# Altium PCB XTIDA-010086.PcbDoc (part 5 of 17) (continued)
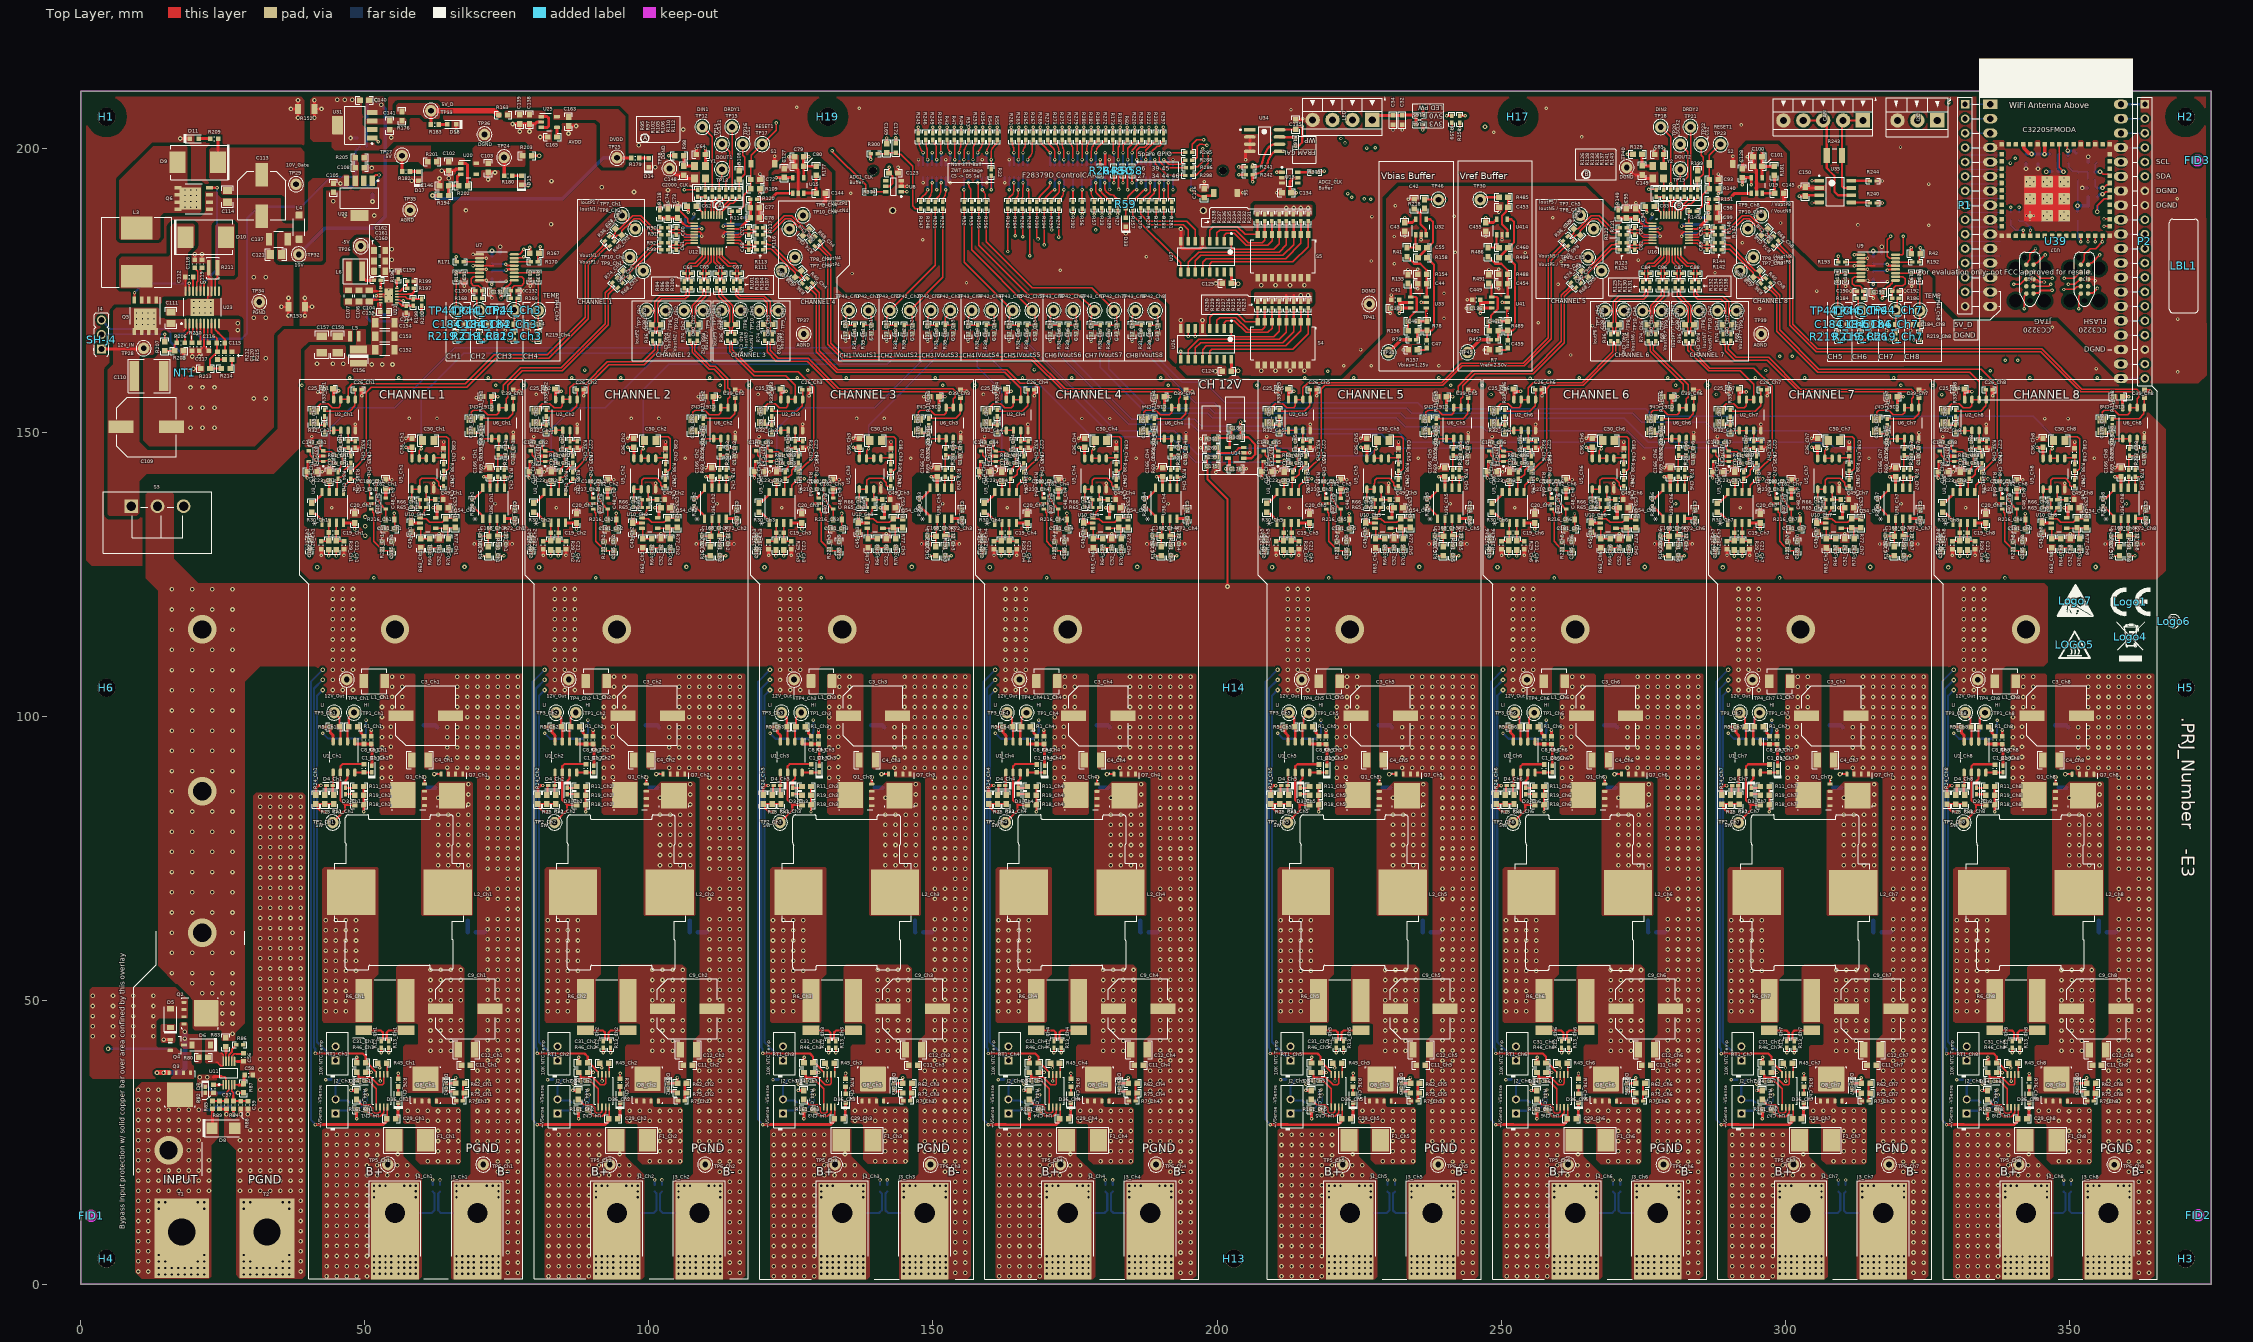
[diagram p0: Top Layer view]
## Part data (continued)
C152 C153 C154: "CAP, CERM, 22 µF, 16 V, +/- 20%, X7R, 1206_190", Cap_Case=1206, Manufacturer="Taiyo Yuden", Supplier Part Number 1=587-4319-1-ND, TempCo=X7R, Tolerance_%=20, Value1=Unknown, Value2=16V, ValueDisplayed=22µF, AEC Category=Q200, AEC Grade=N/A, AEC Qualified=N, Cap_F=0.000022, ComponentLink1Description="Datasheet link", ComponentLink1URL=http://www.yuden.co.jp/productdata/catalog/en/mlcc_all_e.pdf, CompType=Capacitor, LatestRevisionDate=2016-09-27, MountType=SMT, PackageReference=1206_190, PartNumber=EMK316BB7226ML-T, Polarized=N, Published=2008-06-19, Publisher="Texas Instruments", RoHS=Y, SizeArea_mm2=5.12, SizeAreaWB_mm2=10.92, SizeX_mm=3.2, SizeY_mm=1.6, SizeZ_mm=1.9, Supplier 1=Digi-Key, Supplier 2=Mouser, Supplier 3=Newark, Supplier Part Number 2=963-EMK316BB7226ML-T, Supplier Part Number 3=52Y4678, SymbolVersion=2008-07-09, TaMax_C=125, TaMin_C=-55, Technology=Ceramic, U/M=EA, VDC_V=16
C155: "CAP, CERM, 2.2 µF, 16 V, +/- 10%, X7R, 0603", Cap_Case=0603, Manufacturer="Taiyo Yuden", Supplier Part Number 1=EMK107BB7225KA-T-ND, TempCo=X7R, Tolerance_%=10, Value1=Unknown, Value2=16V, ValueDisplayed=2.2µF, AEC Category=Q200, AEC Grade=N/A, AEC Qualified=N, Cap_F=0.0000022, ComponentLink1Description="Datasheet link", ComponentLink1URL=http://www.yuden.co.jp/productdata/catalog/en/mlcc_all_e.pdf, CompType=Capacitor, LatestRevisionDate=2016-03-15, MountType=SMT, PackageReference=0603, PartNumber=EMK107BB7225KA-T, Polarized=N, Published=2008-06-19, Publisher="Texas Instruments", RoHS=Y, Supplier 1=Digi-Key, Supplier 2=Mouser, Supplier 3=Newark, Supplier Part Number 2=963-EMK107BB7225KA-T, Supplier Part Number 3=68X1300, SymbolVersion=2008-07-09, TaMax_C=125, TaMin_C=-55, Technology=Ceramic, U/M=EA, VDC_V=16
C156: "CAP, TA, 47 µF, 16 V, +/- 20%, 0.6 ohm, SMD", Cap_Case=F95_B, Manufacturer=AVX, Supplier Part Number 1=478-8478-1-ND, Tolerance_%=20, Value1="0.6 ohm", Value2=16V, ValueDisplayed=47µF, AEC Category=Q200, AEC Qualified=?, Cap_F=0.000047, ComponentLink1Description="Datasheet link", ComponentLink1URL=http://www.avx.com/docs/Catalogs/f95.pdf, CompType=Capacitor, ESR_ohm=0.6, LatestRevisionDate=2016-09-02, LatestRevisionNote="Updated supplier links", MountType=SMT, PackageReference=3528, PartNumber=F951C476MBAAQ2, Polarized=Y, Publisher="Texas Instruments", RoHS=Y, Series=F95, SizeArea_mm2=9.8, SizeAreaWB_mm2=17.1, SizeX_mm=3.5, SizeY_mm=2.8, SizeZ_mm=2, Supplier 1=Digi-Key, Supplier 2=Mouser, Supplier 3=Farnell, Supplier Part Number 2=647-F951C476MBAAQ2, Supplier Part Number 3=1853428, SymbolVersion=2008-07-09, TaMax_C=125, TaMin_C=-55, Technology=TA, U/M=EA, VDC_V=16
C157 C158: "CAP, CERM, 4.7 µF, 25 V,+/- 10%, X5R, 1206", Cap_Case=1206, Manufacturer=MuRata, Supplier Part Number 1=490-3372-1-ND, TempCo=X5R, Tolerance_%=10, Value1="0.006 ohm", Value2=25V, ValueDisplayed=4.7µF, AEC Category=Q200, AEC Qualified=?, Cap_F=0.0000047, ComponentLink1Description="Datasheet link", ComponentLink1URL=http://search.murata.co.jp/Ceramy/PnsearchViewAction.do?HnOFG=ON&HnNFG=ON&SEL_CNT=50&sLang=en&sKey=GRM319R61E475KA12D&x=9&y=9&search=startwith, CompType=Capacitor, ESR_ohm=0.006, LatestRevisionDate=2017-06-22, MountType=SMT, PackageReference=1206, PartNumber=GRM319R61E475KA12D, Polarized=N, Published=2008-06-19, Publisher="Texas Instruments", RoHS=Y, SizeArea_mm2=5.12, SizeAreaWB_mm2=10.92, SizeX_mm=3.2, SizeY_mm=1.6, SizeZ_mm=1.35, Supplier 1=Digi-Key, Supplier 2=Mouser, Supplier 3=Farnell, Supplier Part Number 2=81-GRM426X475K25D, Supplier Part Number 3=1845758, SymbolVersion=2008-07-09, TaMax_C=85, TaMin_C=-55, Technology=Ceramic, U/M=EA, VDC_V=25
C159: "CAP, CERM, 1 µF, 16 V,+/- 10%, X5R, 0402", Cap_Case=0402, Manufacturer=TDK, Supplier Part Number 1=445-4978-1-ND, TempCo=X5R, Tolerance_%=10, Value2=16V, ValueDisplayed=1µF, AEC Category=Q200, AEC Grade=N/A, AEC Qualified=N, Cap_F=0.000001, ComponentLink1Description="Datasheet link", ComponentLink1URL=https://product.tdk.com/info/en/catalog/datasheets/mlcc_commercial_general_en.pdf, CompType=Capacitor, Green_EU RoHS=Passed, Green_EU RoHS-2=Passed, Green_Lifecycle=EOL, Green_REACh=Passed, LatestRevisionDate=2017-06-22, MountType=SMT, PackageReference=0402, PartNumber=C1005X5R1C105K050BC, Polarized=N, Published=2008-06-19, Publisher="Texas Instruments", RoHS=Y, SizeArea_mm2=0.5, SizeAreaWB_mm2=3, SizeX_mm=1, SizeY_mm=0.5, SizeZ_mm=0.6, Supplier 1=Digi-Key, Supplier 2=Newark, Supplier 3=Mouser, Supplier Part Number 2=90R7590, Supplier Part Number 3=810-C1005X5R1C105K, SymbolVersion=2008-07-09, TaMax_C=85, TaMin_C=-55, Technology=Ceramic, U/M=EA, VDC_V=16
C160 C161 C162: "CAP, CERM, 22 µF, 10 V, +/- 20%, X7S, 0805", Cap_Case=0805, Manufacturer=TDK, Supplier Part Number 1=445-14560-1-ND, TempCo=X7S, Tolerance_%=20, Value1=Unknown, Value2=10V, ValueDisplayed=22µF, AEC Category=Q200, AEC Grade=N/A, AEC Qualified=N, Cap_F=0.000022, ComponentLink1Description="Datasheet link", ComponentLink1URL=http://product.tdk.com/en/catalog/datasheets/mlcc_commercial_general_en.pdf, CompType=Capacitor, LatestRevisionDate=2016-03-15, MountType=SMT, PackageReference=0805, PartNumber=C2012X7S1A226M125AC, Polarized=N, Published=2008-06-19, Publisher="Texas Instruments", RoHS=Y, Supplier 1=Digi-Key, SymbolVersion=2008-07-09, TaMax_C=125, TaMin_C=-55, Technology=Ceramic, U/M=EA, VDC_V=10
C164: "CAP, CERM, 0.22 µF, 16 V,+/- 10%, X7R, 0402", Cap_Case=0402, Manufacturer=MuRata, Supplier Part Number 1=490-5418-1-ND, TempCo=X7R, Tolerance_%=10, Value2=16V, ValueDisplayed=0.22µF, AEC Category=Q200, AEC Qualified=?, Cap_F=0.00000022, ComponentLink1Description="Datasheet link", ComponentLink1URL=http://search.murata.co.jp/Ceramy/PnsearchViewAction.do?HnOFG=ON&HnNFG=ON&SEL_CNT=50&sLang=en&sKey=GRM155R71C224KA12D&x=9&y=9&search=startwith, CompType=Capacitor, Green_EU RoHS=Passed, Green_EU RoHS-2=Incomplete, Green_Lifecycle=Active, Green_REACh=Passed, LatestRevisionDate=2017-06-22, MountType=SMT, PackageReference=0402, PartNumber=GRM155R71C224KA12D, Polarized=N, Published=2008-06-19, Publisher="Texas Instruments", RoHS=Y, SizeArea_mm2=0.5, SizeAreaWB_mm2=3, SizeX_mm=1, SizeY_mm=0.5, SizeZ_mm=0.6, Supplier 1=Digi-Key, Supplier 2=Mouser, Supplier Part Number 2=81-GRM155R71C224KA2D, SymbolVersion=2008-07-09, TaMax_C=125, TaMin_C=-55, Technology=Ceramic, U/M=EA, VDC_V=16
C165: "CAP, CERM, 0.01 µF, 100 V, +/- 10%, X7R, 0603", Cap_Case=0603, Manufacturer=AVX, Supplier Part Number 1=478-1205-1-ND, TempCo=X7R, Tolerance_%=10, Value1="0.098 ohm", Value2=100V, ValueDisplayed=0.01µF, AEC Category=Q200, AEC Grade=N/A, AEC Qualified=N, Cap_F=0.00000001, ComponentLink1Description="Datasheet link", ComponentLink1URL=http://datasheets.avx.com/X7RDielectric.pdf, CompType=Capacitor, ESR_ohm=0.098, LatestRevisionDate=2016-03-31, MountType=SMT, PackageReference=0603, PartNumber=06031C103KAT2A, Polarized=N, Published=2008-06-19, Publisher="Texas Instruments", RoHS=Y, Supplier 1=Digi-Key, Supplier 2=Mouser, Supplier 3=Farnell, Supplier Part Number 2=581-06031C103K, Supplier Part Number 3=1327671, SymbolVersion=2008-07-09, TaMax_C=125, TaMin_C=-55, Technology=Ceramic, U/M=EA, VDC_V=100
C168_Ch1 C168_Ch2 C168_Ch3 C168_Ch4 C168_Ch5 C168_Ch6 C168_Ch7 C168_Ch8: library part GRM1885C1H102JA01D, "CAP, CERM, 10 pF, 50 V, +/- 5%, C0G/NP0, 0603", Cap_Case=0603, Manufacturer=MuRata, TempCo=C0G/NP0, Tolerance_%=5, Value1=Unknown, Value2=50V, ValueDisplayed=10pF, AEC Category=Q200, AEC Qualified=?, Cap_F=0.00000000001, ComponentLink1Description="Datasheet link", ComponentLink1URL=http://search.murata.co.jp/Ceramy/PnsearchViewAction.do?HnOFG=ON&HnNFG=ON&SEL_CNT=50&sLang=en&sKey=GRM1885C1H102JA01D&x=9&y=9&search=startwith, CompType=Capacitor, Group=ACS, Group2=VSD, LatestRevisionDate=2017-03-17, MountType=SMT, PackageReference=0603, Polarized=N, Published=2008-06-19, Publisher="Texas Instruments", RoHS=Y, SizeArea_mm2=1.28, SizeAreaWB_mm2=4.68, SizeX_mm=1.6, SizeY_mm=0.8, SizeZ_mm=1, SymbolVersion=2008-07-09, TaMax_C=125, TaMin_C=-55, Technology=Ceramic, U/M=EA, VDC_V=50
C169: "CAP, CERM, 0.01 µF, 25 V,+/- 5%, C0G/NP0, AEC-Q200 Grade 1, 0603", Cap_Case=0603, Manufacturer=Kemet, Supplier Part Number 1=399-14102-1-ND, TempCo=C0G/NP0, Tolerance_%=5, Value2=25V, ValueDisplayed=0.01uF, AEC Category=Q200, AEC Grade=1, AEC Qualified=Y, Cap_F=0.00000001, ComponentLink1Description="Datasheet link", ComponentLink1URL=https://search.kemet.com/component-edge/download/datasheet/C0603C103J3GECAUTO.pdf, CompType=Capacitor, LatestRevisionDate=2017-06-22, MountType=SMT, PackageReference=0603, PartNumber=C0603C103J3GECAUTO, Polarized=N, Published=2008-06-19, Publisher="Texas Instruments", RoHS=Y, SizeArea_mm2=1.28, SizeAreaWB_mm2=4.68, SizeX_mm=1.6, SizeY_mm=0.8, SizeZ_mm=1, Supplier 1=Digi-Key, Supplier 2=Newark, Supplier 3=Mouser, Supplier Part Number 2=06AC5972, Supplier Part Number 3=80-C0603C103J3GEAUTO, SymbolVersion=2008-07-09, TaMax_C=125, TaMin_C=-55, Technology=Ceramic, U/M=EA, VDC_V=25
CAN: "Header, 5-Pin", LatestRevisionDate=17-Jul-2002, LatestRevisionNote="Re-released for DXP Platform.", Publisher="Altium Limited"
D1_Ch1 D1_Ch2 D1_Ch3 D1_Ch4 D1_Ch5 D1_Ch6 D1_Ch7 D1_Ch8 D3_Ch1 D3_Ch2 D3_Ch3 D3_Ch4 D3_Ch5 D3_Ch6 D3_Ch7 D3_Ch8 D4_Ch1 D4_Ch2 D4_Ch3 D4_Ch4 D4_Ch5 D4_Ch6 D4_Ch7 D4_Ch8 D7 D12 D13 D34_Ch1 D34_Ch2 D34_Ch3 D34_Ch4 D34_Ch5 D34_Ch6 D34_Ch7 D34_Ch8 D35_Ch1 D35_Ch2 D35_Ch3 D35_Ch4 D35_Ch5 D35_Ch6 D35_Ch7 D35_Ch8: "Diode, Schottky, 40V, 0.25A, SOD-523", Manufacturer="ON Semiconductor", Supplier Part Number 1=NSR0240V2T1GOSCT-ND, Value1=0.25A, Value2=0.7V, ComponentLink1Description="Datasheet link", ComponentLink1URL=http://www.onsemi.com/pub_link/Collateral/NSR0240V2T1-D.PDF, CompType=Diode, Io_A=0.25, LatestRevisionDate=2014-07-21, MountType=SMT, PackageReference=SOD-523, PartNumber=NSR0240V2T1G, Published=2008-06-26, Publisher="Texas Instruments", RJC_CperW=600, RoHS=Y, Supplier 1=Digi-Key, Supplier 2=Mouser, Supplier 3=Newark, Supplier Part Number 2=863-NSR0240V2T1G, Supplier Part Number 3=46P8323, SymbolVersion=2008-12-08, TJmax_C=150, Type=Schottky, U/M=EA, Vf_V=0.7, Vr_V=40
  D12 D13 D34_Ch1 D34_Ch2 D34_Ch3 D34_Ch4 D34_Ch5 D34_Ch6 D34_Ch7 D34_Ch8 D35_Ch1 D35_Ch2 D35_Ch3 D35_Ch4 D35_Ch5 D35_Ch6 D35_Ch7 D35_Ch8: Group=RV
D2_Ch1 D2_Ch2 D2_Ch3 D2_Ch4 D2_Ch5 D2_Ch6 D2_Ch7 D2_Ch8: library part VS-20WT04FN, "Diode FERD (Field Effect Rectifier Diode) 100V 20A Surface Mount DPAK", Manufacturer=STMicroelectronics, Supplier Part Number 1=497-16946-2-ND, Value1=20A, Value2=0.53V, AEC Category=Q101, AEC Qualified=?, ComponentLink1Description="Datasheet link", ComponentLink1URL=http://www.vishay.com/docs/94573/vs20uwt04f.pdf, CompType=Diode, Green_EU RoHS=Incomplete, Green_EU RoHS-2=Incomplete, Green_Lifecycle="Not Set", Green_REACh=Incomplete, Group=PS, Io_A=20, MountType=SMT, PackageReference=DPAK, PartNumber=FERD20H100SB-TR, Published=2008-06-26, Publisher="Texas Instruments", RJC_CperW=1.2, RoHS=Y, SizeArea_mm2=64.8114, SizeAreaWB_mm2=101.7114, SizeX_mm=9.91, SizeY_mm=6.54, SizeZ_mm=2.29, Supplier 1=Digi-Key, SymbolVersion=2010-03-23, TJmax_C=175, Type=Schottky, U/M=EA, Vf_V=0.53, Vr_V=45
D5 D6: library part CMP-0029001-1, "Diode, Ultrafast, 100 V, 0.15 A, SOD-123", Manufacturer="Diodes Inc.", Supplier Part Number 1=1N4148W-FDICT-ND, Value1=0.15A, Value2=1.25V, AEC Category=Q101, AEC Qualified=?, ComponentLink1Description="Datasheet link", ComponentLink1URL=http://www.diodes.com/datasheets/ds30086.pdf, CompType=Diode, Green_EU RoHS=Passed, Green_EU RoHS-2=Passed, Green_Lifecycle=Active, Green_REACh=Passed, Io_A=150mA, LatestRevisionDate=2017-05-08, MountType=SMT, PackageReference=SOD-123, PartNumber=1N4148W-7-F, Published=2008-06-26, Publisher="Texas Instruments", RoHS=Y, SizeArea_mm2=6.545, SizeAreaWB_mm2=13.095, SizeX_mm=3.85, SizeY_mm=1.7, SizeZ_mm=1.35, Supplier 1=Digi-Key, Supplier 2=Mouser, Supplier 3=Farnell, Supplier Part Number 2=621-1N4148W-F, Supplier Part Number 3=1776392, TJmax_C=150°C, Type=Ultrafast, U/M=EA, Vf_V=1.25V, Vr_V=100V
D8: "Diode, TVS, Uni, 18 V, 29.2 Vc, SMA", Manufacturer=Littelfuse, Power_W=3.3, Supplier Part Number 1=SMAJ18ALFCT-ND, Value1=3.3W, AEC Category=Q101, AEC Qualified=N, ComponentLink1Description="Datasheet link", ComponentLink1URL=http://www.littelfuse.com/~/media/electronics/datasheets/tvs_diodes/littelfuse_tvs_diode_smaj_datasheet.pdf.pdf, CompType=TVS, LatestRevisionDate=2016-12-21, LatestRevisionNote="Updated Supplier Data", MountType=SMT, PackageReference=SMA, PartNumber=SMAJ18A, Published=2008-10-08, Publisher="Texas Instruments", RJA_CperW=120, RoHS=Y, SizeArea_mm2=16.3228, SizeAreaWB_mm2=37.3428, SizeX_mm=5.59, SizeY_mm=2.92, SizeZ_mm=2.87, Supplier 1=Digi-Key, Supplier 2=Mouser, Supplier 3=Farnell, Supplier Part Number 2=576-SMAJ18A, Supplier Part Number 3=1787557, SymbolVersion=2012-01-13, U/M=EA, Vr_V=18, Vz_V=N/A
D9: "Diode, Schottky, 30 V, 5 A, SMC", Manufacturer="Diodes Inc.", Supplier Part Number 1=B530C-FDICT-ND, Value1=5A, Value2=0.55V, ComponentLink1Description="Datasheet link", ComponentLink1URL=http://www.diodes.com/datasheets/ds13012.pdf, CompType=Diode, Io_A=5, LatestRevisionDate=2014-11-05, MountType=SMT, PackageReference=SMC, PartNumber=B530C-13-F, Published=2008-06-26, Publisher="Texas Instruments", RJC_CperW=10, RoHS=Y, Supplier 1=Digi-Key, Supplier 2=Mouser, Supplier 3=Farnell, Supplier Part Number 2=621-B530C-13-F, Supplier Part Number 3=1843766, SymbolVersion=2008-12-08, TJmax_C=125, Type=Schottky, U/M=EA, Vf_V=0.55, Vr_V=30
D10: "Diode, Schottky, 100 V, 5 A, SMC", Manufacturer="Comchip Technology", Supplier Part Number 1=641-1124-1-ND, Value1=5A, Value2=0.85V, ComponentLink1Description="Datasheet link", ComponentLink1URL=http://www.comchip.com.tw/cms/UserFiles/QW-BB012%20CDBC520-G%7E5100-G%20RevC809622.pdf, CompType=Diode, Io_A=5, LatestRevisionDate=2014-11-05, MountType=SMT, PackageReference=SMC, PartNumber=CDBC5100-G, Published=2008-06-26, Publisher="Texas Instruments", RoHS=Y, Supplier 1=Digi-Key, Supplier 2=Mouser, Supplier Part Number 2=750-CDBC5100-G, SymbolVersion=2008-12-08, TJmax_C=125, Type=Schottky, U/M=EA, Vf_V=0.85, Vr_V=100
D11 D14 D15 D17 D18 D33 D36_Ch1 D36_Ch2 D36_Ch3 D36_Ch4 D36_Ch5 D36_Ch6 D36_Ch7 D36_Ch8: "LED, Green, SMD", Color=green, Manufacturer="Wurth Elektronik", Supplier Part Number 1=732-4980-1-ND, Value1=W, Value2=2V, ComponentLink1Description="Datasheet link", ComponentLink1URL=http://katalog.we-online.de/led/datasheet/150060VS75000.pdf, CompType=LED, Io_A=0.02, LatestRevisionDate=2016-01-08, MountType=SMT, PackageReference=LED_0603, PartNumber=150060VS75000, Published=2008-07-11, Publisher="Texas Instruments", RoHS=Y, Supplier 1=Digi-Key, SymbolVersion=2008-11-06, Type=AlInGaP, U/M=EA, Vf_V=2
  D36_Ch1 D36_Ch2 D36_Ch3 D36_Ch4 D36_Ch5 D36_Ch6 D36_Ch7 D36_Ch8: Group=RV
F1_Ch1 F1_Ch2 F1_Ch3 F1_Ch4 F1_Ch5 F1_Ch6 F1_Ch7 F1_Ch8: "Fuse, 15 A, SMD", Irating_A=15, Manufacturer="Cooper Bussman", Supplier Part Number 1=283-2532-1-ND, ComponentLink1Description="Datasheet URL", ComponentLink1URL=http://www.cooperindustries.com/content/dam/public/bussmann/Electronics/Resources/product-datasheets/Bus_Elx_DS_OC-2531_6125FA_Series.pdf, CompType=Fuse, Group=PS, LatestRevisionDate=2017-05-15, MeltingTyp=124, MountType=SMT, PackageReference=6125FA, PartNumber=6125FA15A, Published=2009-03-05, Publisher="Texas Instruments", RoHS=Y, Rtyp_Ohm=0.004, Supplier 1=Digi-Key, SymbolVersion=2008-07-09
FID1 FID2 FID3 FID4 FID5 FID6: "Fiducial mark.  There is nothing to buy or mount.", Manufacturer=N/A, ClassName=FiducialMark, CompType=Fiducial, LatestRevisionDate=2014-08-01, LatestRevisionNote="Added Alternate PartNumber and Alternate Manufacturer parameters to appropriate components.", MountType=N/A, PackageReference=Fiducial, PartNumber=N/A, Publisher="Texas Instruments", SymbolCreator=codlsc, SymbolVersion=2009-11-4
H1 H2 H3 H4 H5 H6 H13 H14 H17 H19: "Machine Screw, Round, #4-40 x 1/4, Nylon, Philips panhead", Alternate Manufacturer=-, DigiKeyPartNumber=H542-ND, Manufacturer="B&F Fastener Supply", Alternate PartNumber=-, ClassName="Mounting Holes", ComponentLink1Description="Datasheet Link", ComponentLink1URL=http://www.fasnetdirect.com/refguide/Machinepancombo.pdf, CompType=Hardware, LatestRevisionDate=2012-06-27, LatestRevisionNote="Initial Version", MountType=N/A, PackageReference=Screw, PartNumber="NY PMS 440 0025 PH", Publisher="Texas Instruments", RoHS=Y, Supplier 1=Digi-Key, Supplier Part Number 1=H542-ND, SymbolCreator=codlsc, SymbolVersion=2009-10-28, U/M=EA
H7 H8 H9 H10 H11 H12 H15 H16 H18 H20: "Standoff, Hex, 1\"L #4-40 Aluminum", Manufacturer=Keystone, Supplier Part Number 1=2205K-ND, ComponentLink1Description="Datasheet Link", ComponentLink1URL=http://www.keyelco.com/product-pdf.cfm?p=4279, CompType=Standoff, LatestRevisionDate=2014-11-19, MountType=N/A, PackageReference="1\" Aluminum Hex Standoff", PartNumber=2205, Publisher="Texas Instruments", RoHS=Y, Supplier 1=Digi-Key, Supplier 2=Mouser, Supplier 3=Farnell, Supplier Part Number 2=534-2205, Supplier Part Number 3=1785771, SymbolCreator=a0412235, SymbolVersion=2013-06-24
I2C: "Header, 3-Pin", LatestRevisionDate=17-Jul-2002, LatestRevisionNote="Re-released for DXP Platform.", Publisher="Altium Limited"
J1_Ch1 J1_Ch2 J1_Ch3 J1_Ch4 J1_Ch5 J1_Ch6 J1_Ch7 J1_Ch8 J3_Ch1 J3_Ch2 J3_Ch3 J3_Ch4 J3_Ch5 J3_Ch6 J3_Ch7 J3_Ch8: library part CMP-0087889-1, "Terminal Connector Rectangular Lug, Grounding 10-14 AWG 1/8 Stud", Current_A=25A, Manufacturer=Panduit, Voltage_V=600V, ComponentLink1Description=Datasheet, ComponentLink1URL=https://www.panduit.com/content/dam/panduit/en/products/media/2/02/802/3802/109803802.pdf, ContactFinish=Zinc, Group=PS, PackageReference=CONN_TERM_LUG_25MM4_7MM9, PartNumber=CB25-18-CY, PinCount=1, RoHS=TRUE, Symbol Name=SYM-CB25-18-CY
J2_Ch1 J2_Ch2 J2_Ch3 J2_Ch4 J2_Ch5 J2_Ch6 J2_Ch7 J2_Ch8: "Header (Shrouded), 2.5mm, 2x1, Tin, TH", Color=White, Current_A=3, Manufacturer="JST Manufacturing", Supplier Part Number 1=455-1611-ND, Voltage_V=250, Cert_CSA=Y, Cert_UL=Y, ComponentLink1Description="Datasheet URL", ComponentLink1URL=http://www.jst-mfg.com/product/pdf/eng/eEH.pdf, CompType=Header, ContactFinish=Tin, Gender=Male, Group=PS, LatestRevisionDate=2017-06-26, MountType=TH, Orientation=Vertical, PackageReference="Header (Shrouded), 2.5mm, 2x1, TH", PartNumber=B2B-EH-A(LF)(SN), PinCount=2, Pitch_mm=2.5, Publisher="Texas Instruments", RoHS=Y, Row_Count=1, Shrouded=Y, Supplier 1=Digi-Key, SymbolCreator=a0412235, SymbolVersion=2013-10-31
J4: "Header, 2.54mm, 3x1, Tin, TH", Color=Black, Current_A=4, Manufacturer=Molex, Supplier Part Number 1=WM50016-03-ND, Voltage_V=250, Cert_UL=Y, ClassName=Header, ComponentLink1Description="Datasheet URL", ComponentLink1URL=http://www.molex.com/pdm_docs/sd/022284033_sd.pdf, CompType=Header, ContactFinish=Tin, Gender=Male, LatestRevisionDate=2017-06-22, MountType=TH, Orientation=Vertical, PackageReference="Header, 2.54mm, 3x1, TH", PartNumber=0022284033, PinCount=3, Pitch_mm=2.54, Publisher="Texas Instruments", RoHS=Y, Row_Count=1, Shrouded=N, Supplier 1=Digi-Key, SymbolCreator=a0799628, SymbolVersion=2013-03-28
J5: "0.8MM HIGH SPEED ASSEMBLY.", Package=None, Availability=Unavailable, MP=HSEC8-160-01-X-RA-BL, Price=None
J6 J7: "do not populate, RoHS compliant", ID=908
L1_Ch1 L1_Ch2 L1_Ch3 L1_Ch4 L1_Ch5 L1_Ch6 L1_Ch7 L1_Ch8: library part CMP-0064071-1, "Inductor, Shielded Drum Core, Powdered Iron, 1 uH, 5 A, 0.022 ohm, SMD", Manufacturer="Wurth Elektronik", Supplier Part Number 1=732-3342-1-ND, Value1="0.022 ohm", Value2=5A, ValueDisplayed=1uH, AEC Category=Q200, AEC Qualified=?, ComponentLink1Description="Datasheet link", ComponentLink1URL=http://katalog.we-online.de/kataloge/eisos/media/pdf/74437324010.pdf, CompType=Inductor, DCR_ohm=0.022, Green_EU RoHS=Passed, Green_EU RoHS-2=Incomplete, Green_Lifecycle=Active, Green_REACh=Passed, Group=PS, Imax_A=5A, Ind_H=1µH, Irms="5A @ 40C rise", Isat="9A @ 20% inductance drop", LatestRevisionDate=2017-06-02, Material="Powdered Iron", MountType=SMT, PackageReference=4.45x1.8x4.06mm, PartNumber=74437324010, Published=2008-06-26, Publisher="Texas Instruments", RoHS=Y, SizeArea_mm2=18.067, SizeAreaWB_mm2=27.577, SizeX_mm=4.45, SizeY_mm=4.06, SizeZ_mm=2, Supplier 1=Digi-Key, Technology="Shielded Drum Core"
L2_Ch1 L2_Ch2 L2_Ch3 L2_Ch4 L2_Ch5 L2_Ch6 L2_Ch7 L2_Ch8: library part CMP-0085394-1, "Inductor, Shielded, Mn-Zn, 47 µH, 13 A, 0.00968 ohm, SMD", Manufacturer="Wurth Elektronik", Value1="0.00968 ohm", Value2=13A, ValueDisplayed=47µH, AEC Category=Q200, AEC Grade=N/A, AEC Qualified=N, ComponentLink1Description="Datasheet link", ComponentLink1URL=http://katalog.we-online.de/pbs/datasheet/74437529203470.pdf, CompType=Inductor, DCR_ohm=9.68m, Group=PS, Imax_A=13A, Ind_H=47µH, Irms="18.7A @ 50C rise", Isat="13A @ 30% inductance drop", Material=Mn-Zn, MountType=SMT, PackageReference="SMT High Current Inductor", PartNumber=74437529203470, RoHS=Y, SizeArea_mm2=700, SizeAreaWB_mm2=810, SizeX_mm=25, SizeY_mm=28, SizeZ_mm=20.5, Technology=Shielded
L3: "Inductor, Shielded Drum Core, Ferrite, 47 µH, 2.9 A, 0.07 ohm, SMD", Manufacturer=Coilcraft, Value1="0.07 ohm", Value2=2.9A, ValueDisplayed=47µH, ComponentLink1Description="Datasheet link", ComponentLink1URL=http://www.coilcraft.com/pdfs/mss1278.pdf, CompType=Inductor, DCR_ohm=0.07, Imax_A=2.9, Ind_H=47.0E-6, Irms="2.9A @ 40C rise", Isat="5.32A @ 30% inductance drop", LatestRevisionDate=2014-10-31, Material=Ferrite, MountType=SMT, PackageReference=MSS1278, PartNumber=MSS1278-473MLB, Published=2008-06-26, Publisher="Texas Instruments", RoHS=Y, SymbolVersion=2008-07-23, Technology="Shielded Drum Core"
L4: library part CMP-0003369-1, "Ferrite Bead, 1000 ohm @ 100 MHz, 1.5 A, 1806", Manufacturer=MuRata, Supplier Part Number 1=490-1061-1-ND, Value1="0.09 ohm", Value2=1.5A, ValueDisplayed="1000 ohm", ComponentLink1Description="Datasheet link", ComponentLink1URL=http://search.murata.co.jp/Ceramy/image/img/PDF/ENG/L0110S0100BLM41P.pdf, CompType="Ferrite Bead", DCR_ohm=0.09, Imax_A=1.5A, LatestRevisionDate=2017-03-09, MountType=SMT, PackageReference=1806, PartNumber=BLM41PG102SN1L, Published=2014-04-30, Publisher="Texas Instruments", RoHS=Y, SizeArea_mm2=7.2, SizeAreaWB_mm2=14.3, SizeX_mm=4.5, SizeY_mm=1.6, SizeZ_mm=1.85, Supplier 1=Digi-Key, Supplier 2=Mouser, Supplier Part Number 2=81-BLM41PG102SN1L, ZTyp@100MHz_Ohm=1k
L5: library part CMP-0059761-1, "Inductor, Wirewound, 4.7 uH, 0.95 A, 0.38 ohm, SMD", Manufacturer="Taiyo Yuden", Supplier Part Number 1=963-MAKK2016T4R7M, Value1="0.38 ohm", Value2=0.95A, ValueDisplayed=4.7uH, AEC Category=Q200, AEC Qualified=?, ComponentLink1Description="Datasheet link", ComponentLink1URL=http://www.yuden.co.jp/productdata/catalog/en/wound10_e.pdf, CompType=Inductor, DCR_ohm=0.38, Green_EU RoHS=Passed, Green_EU RoHS-2=Passed, Green_Lifecycle=Active, Green_REACh=Passed, Imax_A=950mA, Ind_H=4.7µH, Irms="0.95A @ 40C rise", Isat="1A @ 30% inductance drop", LatestRevisionDate=2017-06-02, Material=?, MountType=SMT, PackageReference=2.0x1x1.6mm, PartNumber=MAKK2016T4R7M, Published=2008-06-26, Publisher="Texas Instruments", RoHS=Y, SizeArea_mm2=3.2, SizeAreaWB_mm2=7.8, SizeX_mm=2, SizeY_mm=1.6, SizeZ_mm=1, Supplier 1=Mouser, Technology=Wirewound
L6: "Inductor, Shielded, Composite, 4.7 µH, 2.7 A, 0.05 ohm, SMD", Manufacturer=Coilcraft, Supplier Part Number 1=994-XFL4020-472MEB, Value1="0.05 ohm", Value2=2.7A, ValueDisplayed=4.7µH, AEC Category=Q200, AEC Qualified=?, ComponentLink1Description="Datasheet link", ComponentLink1URL=http://www.coilcraft.com/pdfs/xfl4020.pdf, CompType=Inductor, DCR_ohm=0.05, Imax_A=2.7, Ind_H=4.7E-6, Irms="5A @ 40C rise", Isat="2.7A @ 30% inductance drop", LatestRevisionDate=2016-01-18, Material=Composite, MountType=SMT, PackageReference=4x2x4mm, PartNumber=XFL4020-472MEB, Published=2008-06-26, Publisher="Texas Instruments", RoHS=Y, Supplier 1=Mouser, SymbolVersion=2008-07-23, Technology=Shielded
LBL1: library part CMP-0003625-1, "Thermal Transfer Printable Labels, 0.650\" W x 0.200\" H - 10,000 per roll", Manufacturer=Brady, Supplier Part Number 1=97C5133, ClassName=Label, ComponentLink1Description="Web Page", ComponentLink1URL=http://www.bradyid.com/bradyid/pdpv/THT-14-423-10.html, CompType=Label, Key=THT-14-423-10, LatestRevisionDate=2017-03-09, MountType=N/A, Note="Size: 0.65\" x 0.20 \"", PackageReference="PCB Label 0.650 x 0.200 inch", PartNumber=THT-14-423-10, Publisher="Texas Instruments", RoHS=Y, Supplier 1=Newark, Supplier 2=Farnell, Supplier Part Number 2=2065596
LED: "Header, 4-Pin", LatestRevisionDate=17-Jul-2002, LatestRevisionNote="Re-released for DXP Platform.", Publisher="Altium Limited"
Logo1: library part CMP-0074844-1, LatestRevisionDate=2017-07-06, Lib Reference="CE Mark", PartNumber="CE Mark", Published=2009-03-03, Publisher="Texas Instruments", SymbolCreator=a0412235
Logo3: library part CMP-0074847-1, "FCC_disclaimer", LatestRevisionDate=2017-07-06, Lib Reference=FCC_disclaimer, PartNumber="FCC disclaimer", Published=2009-03-03, Publisher="Texas Instruments"
Logo4: library part CMP-0074769-1, Lib Reference="WEEE logo", PartNumber="WEEE logo"
LOGO5: library part CMP-0074837-1, "IEC 61010-1 Hot Surface Warning", LatestRevisionDate=2017-07-06, Lib Reference=IEC_HotSurface, PartNumber="CAUTION HOT SURFACE", Published=2009-03-03, Publisher="Texas Instruments", SymbolCreator=a0412235, SymbolVersion=2011-08-22
Logo6: library part Pb-Free, LatestRevisionDate=2014-08-05, Published=2009-03-03, Publisher="Texas Instruments", SymbolCreator=a0412235, SymbolVersion=2011-08-22
Logo7: library part ESD_Susceptible, "ESD Susceptible Symbol", LatestRevisionDate=2016-03-21, Published=2009-03-03, Publisher="Texas Instruments", SymbolCreator=a0412235, SymbolVersion=2011-08-22
NT1: "Single point connection between nets.", LatestRevisionDate=2014-10-27, LatestRevisionNote="Added Alternate PartNumber and Alternate Manufacturer parameters to appropriate components.", MountType=SMT, PackageReference=N/A, Publisher="Texas Instruments", SymbolCreator=codlsc, SymbolVersion=2009-07-01
P1: "Header, 15-Pin", LatestRevisionDate=17-Jul-2002, LatestRevisionNote="Re-released for DXP Platform.", Publisher="Altium Limited"
P2: "Header, 20-Pin", LatestRevisionDate=17-Jul-2002, LatestRevisionNote="Re-released for DXP Platform.", Publisher="Altium Limited"
Q1_Ch1 Q1_Ch2 Q1_Ch3 Q1_Ch4 Q1_Ch5 Q1_Ch6 Q1_Ch7 Q1_Ch8 Q7_Ch1 Q7_Ch2 Q7_Ch3 Q7_Ch4 Q7_Ch5 Q7_Ch6 Q7_Ch7 Q7_Ch8: library part CMP-0000708-1, "MOSFET, N-CH, 40 V, 15 A, DQJ0008A (VSONP-8)", Alternate Manufacturer=None, Manufacturer="Texas Instruments", Supplier Part Number 1=296-30572-1-ND, Value1=0.009, Value2="7.7 nC", AEC Category=Q101, AEC Qualified=N, ChType=N, ComponentLink1Description="Datasheet link", ComponentLink1URL=http://www.ti.com/lit/ds/symlink/csd18504q5a.pdf, CompType=MOSFET, Group=PS, IdsMax_A=15A, LatestRevisionDate=2017-03-09, LatestRevisionNote="Added parts.", MountType=SMT, PackageReference=DQJ0008A, PartNumber=CSD18504Q5A, Published=2008-06-19, Publisher="Texas Instruments", QgTyp_nC=7.7, Rdson45_ohm=9.8m, RoHS=Y, SizeArea_mm2=29.4, SizeAreaWB_mm2=55.2, SizeX_mm=6, SizeY_mm=4.9, SizeZ_mm=1.1, Supplier 1=Digi-Key, Supplier 2=Mouser, Supplier Part Number 2=595-CSD18504Q5A, U/M=EA, VdsMax_V=40V, Vgs_V=20V
Q2 Q3 Q8_Ch1 Q8_Ch2 Q8_Ch3 Q8_Ch4 Q8_Ch5 Q8_Ch6 Q8_Ch7 Q8_Ch8: "MOSFET, N-CH, 25 V, 100 A, DNK0008A (VSON-CLIP-8)", Alternate Manufacturer=None, Manufacturer="Texas Instruments", Supplier Part Number 1=CSD16570Q5B-ND, Value1="0.0008 ohm", Value2="192 nC", AEC Category=Q101, AEC Qualified=N, ChType=N, ComponentLink1Description="Datasheet link", ComponentLink1URL=http://www.ti.com/lit/ds/symlink/csd16570q5b.pdf, CompType=MOSFET, IdsMax_A=100, LatestRevisionDate=2017-03-20, LatestRevisionNote="Added parts.", MountType=SMT, PackageReference=DNK0008A, PartNumber=CSD16570Q5B, Published=2008-06-19, Publisher="Texas Instruments", QgTyp_nC=192, Rdson45_ohm=0.0008, RoHS=Y, SizeArea_mm2=30, SizeAreaWB_mm2=56, SizeX_mm=6, SizeY_mm=5, SizeZ_mm=1, Supplier 1=Digi-Key, Supplier 2=Newark, Supplier 3=Mouser, Supplier Part Number 2=83X7113, Supplier Part Number 3=595-CSD16570Q5B, SymbolVersion=2011-08-16, U/M=EA, VdsMax_V=25, Vgs_V=20
  Q8_Ch1 Q8_Ch2 Q8_Ch3 Q8_Ch4 Q8_Ch5 Q8_Ch6 Q8_Ch7 Q8_Ch8: Group=PS